# Altium PCB BMI088_V1.PcbDoc
Units mil, origin at the board's own origin, x right, y up, seen from the top; angles counter-clockwise.
Board outline 2462.83 x 1377.95 mil, 2 copper layers (Top Layer, Bottom Layer), stack 62.249 mil thick; 49 components, 50 nets, 240 pads, 192 vias.
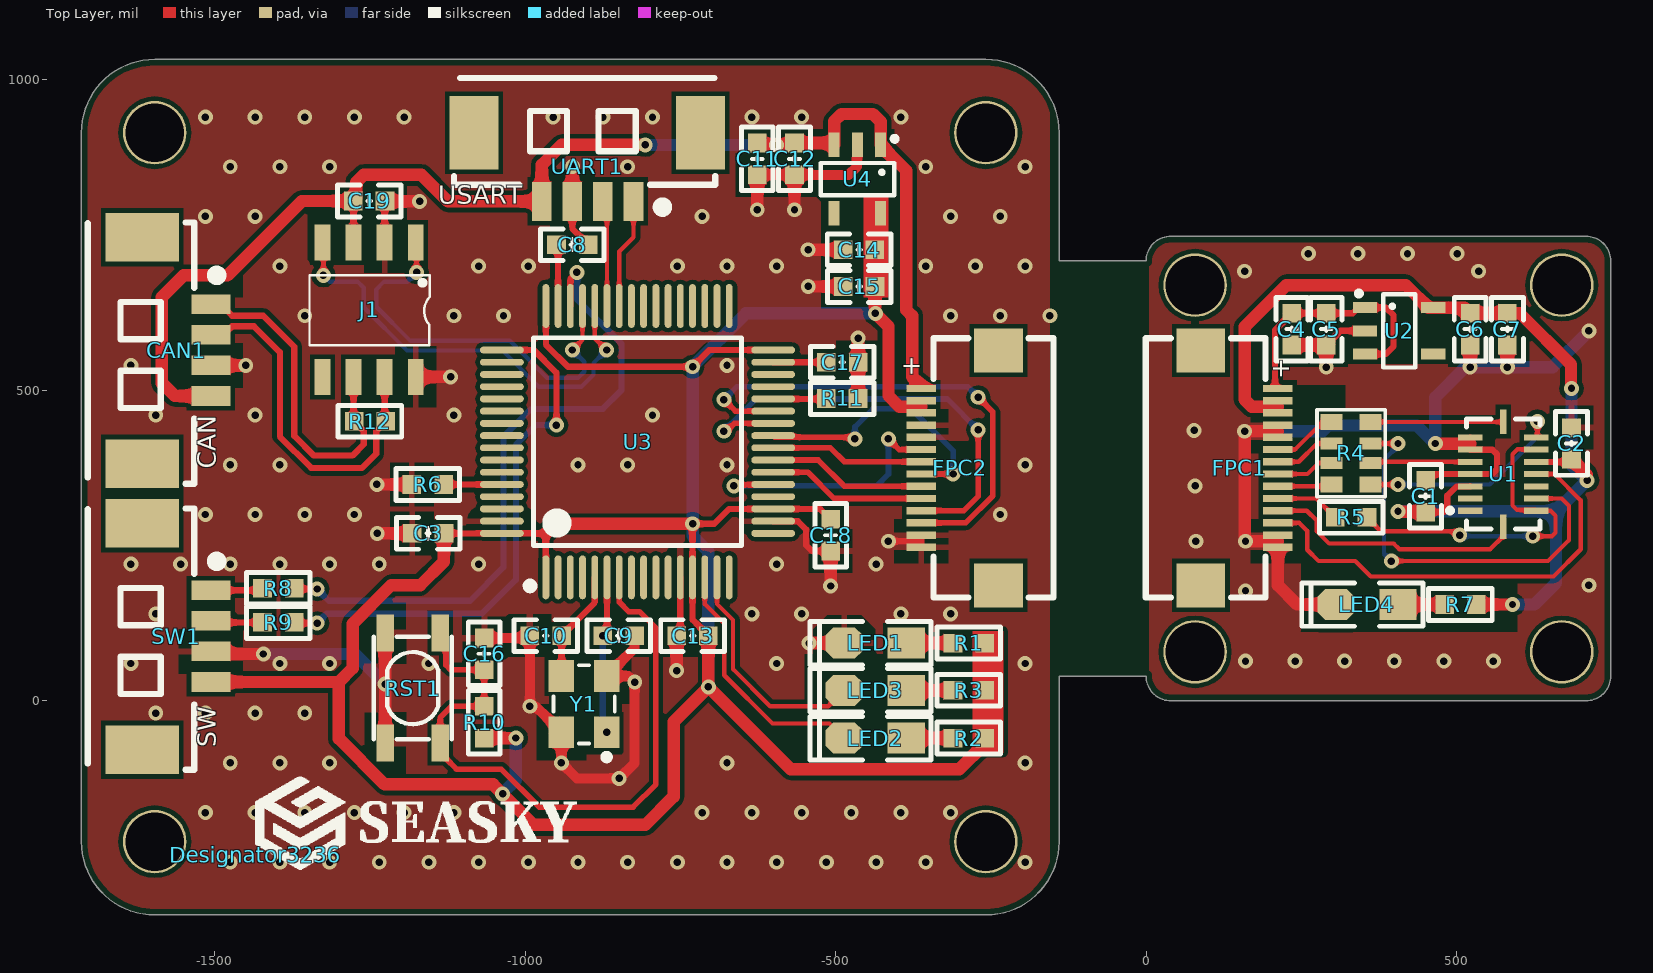
[diagram p0: Top Layer view]
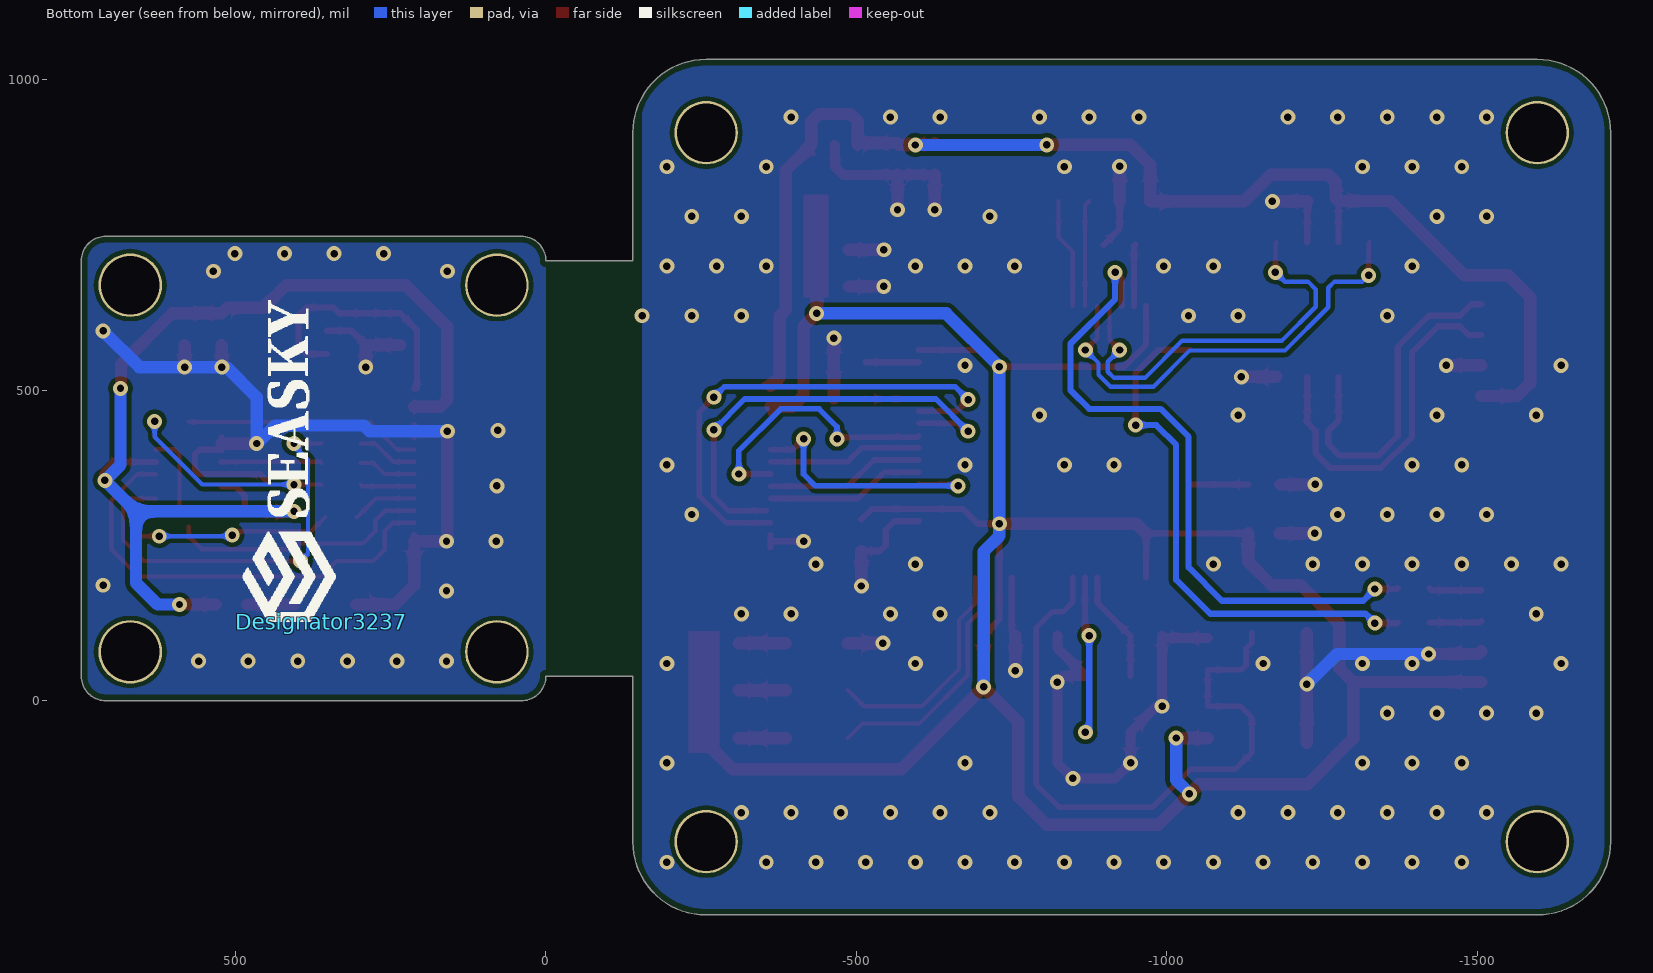
[diagram p1: Bottom Layer view, seen from below]
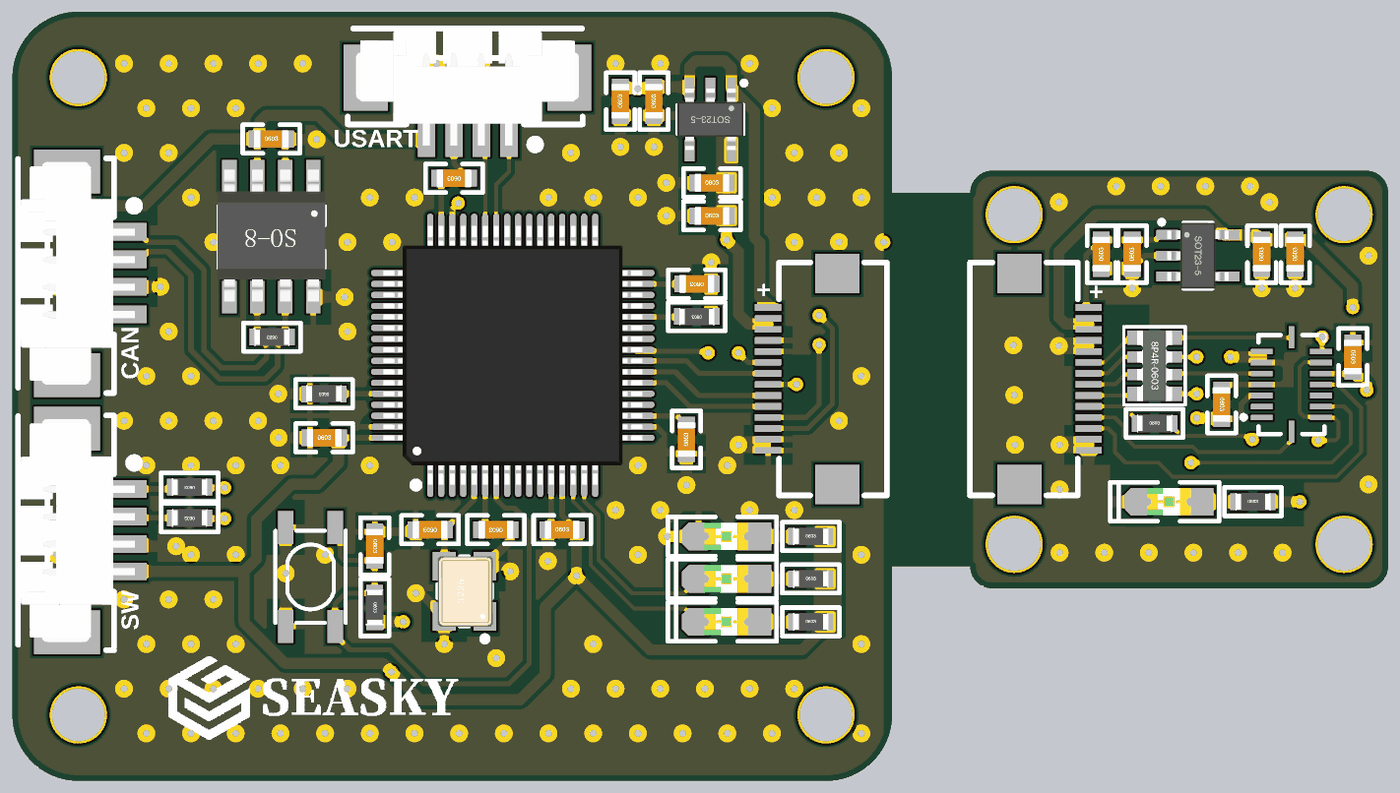
[diagram p2: 3D render of the assembled board from above, using the file's embedded part models]

## Layer stack, top to bottom
Top Solder: solder mask 0.4, Solder Resist, Dk 3.5
Top Layer: signal copper 1.4
Dielectric 1: dielectric 59.4488, FR-4, Dk 4.8
Bottom Layer: signal copper 1.4
Bottom Solder: solder mask 0.4, Solder Resist, Dk 3.5

## Board outline
-1596.69,-345 cw(c-1596.69,-226.89) -1714.8,-226.89 -1714.8,914.84 cw(c-1596.69,914.84) -1596.69,1032.95 -258.11,1032.95 cw(c-258.11,914.84) -140,914.84 -140,708.66 0,708.66 cw(c39.37,708.66) 39.37,748.03 708.66,748.03 cw(c708.66,708.66) 748.03,708.66 748.03,39.37 cw(c708.66,39.37) 708.66,0 39.37,0 cw(c39.37,39.37) 0,39.37 -140,39.37 -140,-226.89 cw(c-258.11,-226.89) -258.11,-345

## Design rules (kind name [scope] priority, off if disabled: settings)
BoardOutlineClearance [All] p1: gap=10 ignorepadtopadclearanceinfootprint=FALSE except(0: Arc-SplitContinuation Track-SplitContinuation SMDPad-SplitContinuation THPad-SplitContinuation Via-SplitContinuation Fill-SplitContinuation Poly-SplitContinuation Region-SplitContinuation Text-SplitContinuation)
Clearance [All] p1: gap=7 ignorepadtopadclearanceinfootprint=TRUE except(0: Arc-Hole Track-Hole SMDPad-Hole THPad-Hole Via-Hole Fill-Hole Poly-Hole Region-Hole Text-Hole)
MinimumSolderMaskSliver [All] p1: minsoldermaskwidth=1
PolygonConnect PolygonConnect_Via [IsVia] p1: connectstyle=Direct reliefconductorwidth=10 reliefentries=4 polygonreliefangle="90 Angle" airgapwidth=20
PolygonConnect [All] p2: connectstyle=Relief reliefconductorwidth=10 reliefentries=4 polygonreliefangle="90 Angle" airgapwidth=20
RoutingVias [All] p1: holewidth=12 width=24 viastyle="Through Hole" minholewidth=8 minwidth=16 maxholewidth=50 maxwidth=100
SilkToSolderMaskClearance [IsPad] p1: minsilkscreentomaskgap=7 clearancetoexposedcopper=TRUE
SolderMaskExpansion [All] p1: expansion=4
Width [All] p1: maxlimit=100 minlimit=6 preferedwidth=10 minimp=50.000000 maximp=50.000000 favimp=50.000000
28 further rules are at their usual default settings.

## Components (designator, comment, footprint, x,y, rotation, side; value= is the part's Value field where it differs from the comment)
C1 "0.1uF" "C 0603_L" 450,329.41 r270 top
C2 "0.1uF" "C 0603_L" 685,414.33 r270 top
C3 "0.1uF" "C 0603_L" -1156.45,269.58 r0 top
C4 "10uF" "C 0603_L" 234.67,598.53 r90 top
C5 "0.1uF" "C 0603_L" 290,598.53 r90 top
C6 "10uF" "C 0603_L" 521.76,598.53 r90 top
C7 "0.1uF" "C 0603_L" 581.76,598.53 r90 top
C8 "2.2uF" "C 0603_L" -924.06,734.52 r180 top
C9 "22pF" "C 0603_L" -849.26,104.89 r180 top
C10 "22pF" "C 0603_L" -966.94,104.88 r180 top
C11 "10uF" "C 0603_L" -626.28,872.61 r90 top
C12 "0.1uF" "C 0603_L" -566.28,872.61 r90 top
C13 "0.1uF" "C 0603_L" -730.52,104.89 r0 top
C14 "10uF" "C 0603_L" -462.39,726.28 r0 top
C15 "0.1uF" "C 0603_L" -462.27,667.21 r0 top
C16 "0.1uF" "C 0603_L" -1066.12,75.52 r270 top
C17 "2.2uF" "C 0603_L" -489.41,545.17 r180 top
C18 "0.1uF" "C 0603_L" -508.08,266.71 r90 top
C19 "0.1uF" "C 0603_L" -1251.35,804.89 r0 top
CAN1 "HDR-1X4" "MX 1.25-WS-4P" -1616.94,564.1 r270 top
Designator3236 "Comment" SEASKY1 -1435,-247.99 r0 top
Designator3237 "Comment" SEASKY1 361.31,127.35 r90 bottom
FPC1 "FPC14" FPC-SMD_P0.50-14P_QCHF-SM-H2.0 150,375 r90 top
FPC2 "FPC14" FPC-SMD_P0.50-14P_QCHF-SM-H2.0 -300,375 r270 top
J1 "TJA1050" SOIC-8_150mil -1176.35,738.17 r270 top locked
LED1 "红色" "LED 0805R" -436.4,92.88 r180 top
LED2 "红色" "LED 0805G" -436.4,-60.12 r180 top
LED3 "红色" "LED 0805G" -436.4,16.88 r180 top
LED4 "红色" "LED 0805G" 355.59,155 r180 top
R1 "4.7K" "R 0603_L" -285.4,92.88 r0 top
R2 "4.7K" "R 0603_L" -285.4,-60.12 r0 top
R3 "4.7K" "R 0603_L" -285.4,16.88 r0 top
R4 "220R" RCA-8P4R-0603 330,398.59 r270 top
R5 "220R" "R 0603_L" 330,295.35 r0 top
R6 "10K" "R 0603_L" -1156.94,348.32 r180 top
R7 "10K" "R 0603_L" 506.17,155 r0 top
R8 "0R" "R 0603_L" -1397.54,181.17 r180 top
R9 "0R" "R 0603_L" -1397.54,126.18 r180 top
R10 "10K" "R 0603_L" -1066.12,-34.48 r270 top
R11 "10K" "R 0603_L" -489.59,486.82 r180 top
R12 "120R" "R 0603_L" -1250,450 r180 top
RST1 "RES" SMD-3.2*4.2 -1181.12,20.52 r270 top
SW1 "HDR-1X4" "MX 1.25-WS-4P" -1616.94,103.54 r270 top
U1 "BMI088" BOSC-LGA-16-BMI088_V 575,365 r90 top
U2 "RT9013-33GB" SOT23-5L 407.59,595.8 r270 top
U3 "STM32F405RGT6" LQFP-64_10X10X05P -819.1,417.22 r90 top locked
U4 "RT9013-33GB" SOT23-5L -465,840 r180 top
UART1 "HDR-1X4" "MX 1.25-WS-4P" -900,915 r180 top
Y1 "12MHz" SMD-3225_4P -868.94,-50.67 r90 top

## Footprints (in the part's own frame and the unit in brackets; to place one, negate y for a bottom-side part, rotate by r counter-clockwise, add the part's x,y. Pads: shape width x height; smd on the part's side, far side on the other; paste and mask are expansions set on the pad)
BOSC-LGA-16-BMI088_V [mm] "LGA, 16-Leads, Body 3.0x4.5mm, Pitch 0.5mm"
  rect 0.25x1 smd: 1(-1.5,1.35) 2(-1,1.35) 3(-0.5,1.35) 4(0,1.35) 5(0.5,1.35) 6(1,1.35) 7(1.5,1.35) 9(1.5,-1.35) 10(1,-1.35) 11(0.5,-1.35) 12(0,-1.35) 13(-0.5,-1.35) 14(-1,-1.35) 15(-1.5,-1.35)
  rect 1x0.25 smd: 8(2.15,0) 16(-2.15,0)
  silkscreen extent -2.25,-1.5 2.25,2.28, body extent -2.25,-1.5 2.25,1.5, height 0.95
"C 0603_L" [mil] "无极性贴片电容                                       淘宝ID:黄晶宝石"
  rect 30x30 smd: 1(-25.59,0) 2(25.59,0)
  silkscreen extent -51,-26 51,26, body extent -31,-16 31,16, height 32
FPC-SMD_P0.50-14P_QCHF-SM-H2.0 [mm]
  rect 0.3x1.2 smd: 1(3.25,-1.575) 2(2.75,-1.575) 3(2.25,-1.575) 4(1.75,-1.575) 5(1.25,-1.575) 6(0.75,-1.575) 7(0.25,-1.575) 8(-0.25,-1.575) 9(-0.75,-1.575) 10(-1.25,-1.575) 11(-1.75,-1.575) 12(-2.25,-1.575) 13(-2.75,-1.575) 14(-3.25,-1.575)
  rect 1.8x2 smd: 15(4.8,1.575) 16(-4.8,1.575)
  silkscreen extent -5.3,-1.08 5.3,3.82
"LED 0805G" [mil] "绿色0805LED                              淘宝ID:黄晶宝石"
  rect 60x50 smd: 1(-50,0)
  oct 60x50 smd: 2(50,0)
  silkscreen extent -90,-35 105,35, body extent -39,-25 39,25, height 26
"LED 0805R" [mil] "红色0805LED                                       淘宝ID:黄晶宝石"
  rect 60x50 smd: 1(-50,0)
  oct 60x50 smd: 2(50,0)
  silkscreen extent -90,-35 105,35, body extent -39,-25 39,25, height 32
LQFP-64_10X10X05P [mil]
  oval 70.7x11.02 smd: 1(-218.5,147.64) 2(-218.5,127.95) 3(-218.5,108.27) 4(-218.5,88.58) 5(-218.5,68.9) 6(-218.5,49.21) 7(-218.5,29.53) 8(-218.5,9.84) 9(-218.5,-9.84) 10(-218.5,-29.53) 11(-218.5,-49.21) 12(-218.5,-68.9) 13(-218.5,-88.58) 14(-218.5,-108.27) 15(-218.5,-127.95) 16(-218.5,-147.64) 33(218.5,-147.64) 34(218.5,-127.95) 35(218.5,-108.27) 36(218.5,-88.58) 37(218.5,-68.9) 38(218.5,-49.21) 39(218.5,-29.53) 40(218.5,-9.84) 41(218.5,9.84) 42(218.5,29.53) 43(218.5,49.21) 44(218.5,68.9) 45(218.5,88.58) 46(218.5,108.27) 47(218.5,127.95) 48(218.5,147.64)
  oval 11.02x70.7 smd: 17(-147.64,-218.5) 18(-127.95,-218.5) 19(-108.27,-218.5) 20(-88.58,-218.5) 21(-68.9,-218.5) 22(-49.21,-218.5) 23(-29.53,-218.5) 24(-9.84,-218.5) 25(9.84,-218.5) 26(29.53,-218.5) 27(49.21,-218.5) 28(68.9,-218.5) 29(88.58,-218.5) 30(108.27,-218.5) 31(127.95,-218.5) 32(147.64,-218.5) 49(147.64,218.5) 50(127.95,218.5) 51(108.27,218.5) 52(88.58,218.5) 53(68.9,218.5) 54(49.21,218.5) 55(29.53,218.5) 56(9.84,218.5) 57(-9.84,218.5) 58(-29.53,218.5) 59(-49.21,218.5) 60(-68.9,218.5) 61(-88.58,218.5) 62(-108.27,218.5) 63(-127.95,218.5) 64(-147.64,218.5)
  silkscreen extent -238,-167 167,179, body extent -232,-232 232,232, height 61
"MX 1.25-WS-4P" [mm] "长：10.15mm，宽：4.2mm，高：3.4mm"
  rect 2x3 smd: 0(-4.632,0) 0(4.632,0)
  rect 0.8x1.6 smd: 1(-1.889,2.811) 2(-0.639,2.811) 3(0.611,2.811) 4(1.861,2.811)
  silkscreen extent -5.23,-2.23 5.45,3.25, body extent -5.07,-2.1 5.07,3.09, height 3.4
"R 0603_L" [mil] "1/10W贴片电阻                 淘宝ID:黄晶宝石"
  rect 30x30 smd: 1(-25.59,0) 2(25.59,0)
  silkscreen extent -51,-26 51,26, body extent -31,-16 32,16, height 16
RCA-8P4R-0603 [mm] "3.2mm*1.6mm*0.6mm(长*宽*厚)"
  rect 0.65x0.9 smd: 1(-1.28,-0.8) 4(1.28,-0.8) 5(1.28,0.8) 8(-1.28,0.8)
  rect 0.5x0.9 smd: 2(-0.4,-0.8) 3(0.4,-0.8) 6(0.4,0.8) 7(-0.4,0.8)
  silkscreen extent -1.78,-1.4 1.78,1.4, body extent -1.6,-0.8 1.6,0.8, height 0.6
SEASKY1 [mil]
  silkscreen extent 0,-23 518,126
SMD-3.2*4.2 [mm]
  rect 1.5x0.7 smd: 1(-2.25,1.125) 1(2.25,1.125) 2(-2.25,-1.125) 2(2.25,-1.125)
  silkscreen extent -2.1,-1.6 2.1,1.6, body extent -2.73,-1.6 2.47,1.58, height 1.8
SMD-3225_4P [mm]
  rect 1.3x1.05 smd: 1(0,0) 2(2.3,0) 3(2.3,1.85) 4(0,1.85)
  silkscreen extent -1.14,-0.33 2.74,2.17, body extent -0.46,-0.36 2.74,2.14, height 0.7
SOIC-8_150mil [mm]
  rect 1.473x0.65 smd: 1(0,0) 2(0,-1.27) 3(0,-2.54) 4(0,-3.81) 5(5.5,-3.81) 6(5.5,-2.54) 7(5.5,-1.27) 8(5.5,0)
  silkscreen extent 1.35,-4.34 4.2,0.58, body extent -0.3,-4.34 5.7,0.56, height 1.7
SOT23-5L [mm] "3x1.6x1.1mm(长宽高) 封装库来自淘宝卖家 ID：黄晶宝石"
  rect 0.45x1 smd: 1(-0.95,-1.4) 2(0,-1.4) 3(0.95,-1.4) 4(0.95,1.4) 5(-0.95,1.4)
  silkscreen extent -1.6,-1.73 1.5,0.66, body extent -1.5,-1.4 1.5,1.4, height 1.15

## Part data
C1 C2 C3 C4 C5 C6 C7 C8 C9 C10 C11 C12 C13 C14 C15 C16 C17 C18 C19: library part C, "贴片电容"
CAN1 SW1 UART1: library part "Header 4", "4P接插件"
J1: "CANоƬ"
LED1 LED2 LED3 LED4: library part LED-SMD, "贴片LED"
R1 R2 R3 R5 R6 R7 R8 R9 R10 R11 R12: library part R, "贴片电阻"
R4: library part R-8P4R, "贴片排阻"
RST1: library part KEY_M
U1: library part BOSC-BMI088-LGA-16, "6-axis Motion Tracking for High-performance Applications,", Manufacturer_Name=Bosch, Arrow Part Number=BMI088, Arrow Price/Stock=https://www.arrow.com/en/products/bmi088/bosch, Datasheet Link=https://ae-bst.resource.bosch.com/media/_tech/media/datasheets/BST-BMI088-DS001-13.pdf, Geometry.Height=1.45mm, Manufacturer_Part_Number=BMI088
Y1: library part XTAL_3225, "3225贴片无源晶振"

## Free pads (board coordinates)
  round 102.36 hole 94.49: ""(-1596.69,-226.89) ""(-1596.69,914.84) ""(-258.11,-226.89) ""(-258.11,914.84) ""(78.74,78.74) ""(78.74,669.29) ""(669.29,78.74) ""(669.29,669.29)

## Via types
v1: diameter 24, hole 12, Top Layer to Bottom Layer, 192 vias

## Nets (pads, with @x,y where several pads share a name; then routed paths per layer and width w, separated by ;. In a path a pad name is that pad's centre, name@x,y a point inside that pad or via, vN(x,y) a via of type N, cw(c..) or ccw(c..) an arc to the next point about the centre after c; other vN are vias at no path point)
CAN1_RX(PA11): J1.4 U3.44 | length 716.5
  Top Layer w7: J1.4 -1325,736.82 v1(-1325,685) ; U3.44 -888,583.92 v1(-868.94,564.86)
  Bottom Layer w7: v1(-1325,685) -1315,675 -1270,675 -1260,665 -1260,633.65 -1190.33,563.98 -1036.71,563.98 -978.54,505.8 -909.4,505.8 -890,525.2 -890,543.8 v1(-868.94,564.86)
CAN1_TX(PA12): J1.1 U3.45 | length 659.8
  Top Layer w7: J1.1 -1175,736.82 v1(-1175,690) ; v1(-924.06,564.86) -907.68,581.25 U3.45
  Bottom Layer w7: v1(-1175,690) -1190,675 -1227.2,675 -1240,662.2 -1240,634.63 -1185.37,580 -1025,580 -965,520 -915,520 -905,530 -905,545.8 v1(-924.06,564.86)
CAN_H: CAN1.2 J1.7 R12.1 | length 586.5
  Top Layer w10: CAN1.2 -1485.75,589.25 -1472,603 -1436.88,603 -1395,561.12 -1395,425.49 -1344.51,375 -1262.69,375 -1240,397.69 -1240,434.41 R12.1 -1226.35,451.95 J1.7
CAN_L: CAN1.1 J1.6 R12.2 | length 554.2
  Top Layer w10: CAN1.1 -1490.46,638.46 -1472,620 -1421.71,620 -1371.94,570.24 -1371.94,426.47 -1340.47,395 -1277.97,395 -1260,412.97 -1260,434.42 R12.2 -1276.35,450.77 J1.6
CSB1_ACC(PC4): FPC2.8 U3.24 | length 247.9
  Top Layer w9: U3.24 -508.48,407.38 -485.94,384.84 FPC2.8
CSB2_GYRO(PC5): FPC2.7 U3.25 | length 439.7
  Top Layer w9: U3.25 -597.93,424.39 -471.76,424.39 v1(-468.97,421.61) ; FPC2.7 v1(-311,365.16)
  Bottom Layer w9: v1(-468.97,421.61) -468.97,441.03 -440,470 -378.25,470 -311,402.74 v1(-311,365.16)
CSB_ACCEL: R4.7 U1.14 | length 660.5
  Top Layer w7: R4.7 v1(405.59,414.33) ; v1(395,225) 647.24,225 680.94,258.69 680.94,313.99 669.29,325.63 U1.14
  Bottom Layer w7: v1(395,225) 383.09,236.91 383.09,388.09 405.59,410.59 v1(405.59,414.33)
CSB_GYRO: R4.6 U1.5 | length 161.2
  Top Layer w7: R4.6 363.27,384.61 363.34,384.69 U1.5
  Top Layer w10: U1.5@521.77,384.61 U1.5
GND: C1.1 C2.1 C4.1 C5.1 C6.1 C7.1 FPC1.4 FPC1.5 FPC1.13 FPC1.14 LED4.2 U1.4 U1.6 U1.7 U2.2 | length 1681.8
  Top Layer w10: FPC1.14 212.01,256.89 FPC1.13 ; FPC1.5 212.01,434.05 FPC1.4 ; C5.1 312.87,595.8 U2.2 ; C1.1 460,365 U1.4 521.93,365.08 557.61,365.08 565,372.47 565,397.06 557.69,404.37 U1.6 521.85,414.21 U1.7
  Top Layer w20: FPC1.14 212.01,186.02 243.03,155 LED4.2 ; 212.01,256.89 v1(160,256.89) 158.58,258.31 v1(158.58,434.05) 212.01,434.05 ; C4.1 C5.1 v1(290,537.36) ; v1(465.83,414.33) 465.95,414.21 521.85,414.21 ; v1(521.77,537.36) C6.1 ; v1(581.77,537.36) C7.1
  Bottom Layer w20: v1(158.58,434.05) 283.99,434.05 293.27,443.33 435.75,443.33 464.75,414.33 v1(465.83,414.33) 465.83,488.78 514.41,537.36 v1(521.77,537.36) v1(581.77,537.36) 654.48,537.36 v1(712.93,595.8)
  other v1: 160,63.75 239.84,63.75 319.68,63.75 399.51,63.75 479.35,63.75 559.19,63.75 160,177.05 712.93,186.02 80.16,256.89 78.74,346.18 77.32,435.48 158.58,691.66 535.51,691.66 261.23,720 341.06,720 420.9,720 500.74,720
GNDS: C3.1 C8.1 C9.1 C10.2 C11.1 C12.1 C13.1 C14.1 C15.1 C16.1 C17.1 C18.1 C19.2 CAN1.3 FPC2.1 FPC2.2 FPC2.10 FPC2.11 J1.2 J1.8 LED1.2 R6.2 R11.1 RST1.2 SW1.3 U3.12 U3.18 U3.63 U4.2 UART1.3 Y1.2 Y1.4 | length 2662.1
  Top Layer w10: J1.2 -1226.35,804.3 C19.2 ; UART1.3 -924.06,760.11 C8.1 ; C13.1 -750.2,110.8 U3.12 ; U3.18 -600.4,289.08 -560.87,289.08 -547.48,275.68 -547.48,250.51 -538.08,241.11 C18.1 ; v1(-415,256.89) -362.01,256.89 ; FPC2.1 -362.01,256.89 ; FPC2.2 -362.01,256.89
  Top Layer w16: C16.1 -996.31,101.11 C10.2 v1(-992.53,-8.89) -983.55,-8.89 Y1.4 v1(-941.77,-100) -916.77,-125 v1(-848.66,-125) -823.66,-100 v1(-823.66,30.13) -833.41,39.88 Y1.2 -823.66,85.16 C9.1 ; C11.1 C12.1 -478.97,847.02 -465.86,860.13 -465.86,894.26 U4.2
  Top Layer w20: SW1.3 -1502.1,75.29 v1(-1421.71,75.29) ; CAN1.3 v1(-1450,540) v1(-1450,540) ; v1(-1238.82,348.36) -1238.79,348.32 R6.2 ; v1(-1238.33,269.61) v1(-1238.33,269.61) C3.1 ; C19.2@-1226.35,804.3 v1(-1170.06,804.26) v1(-1170.06,804.26) ; RST1.2@-1225.41,-68.07 -1225.59,-67.89 v1(-1225.59,26.76) -1225.59,30.44 -1225.59,108.92 RST1.2@-1225.41,109.1 ; J1.8 v1(-1120.06,521.59) v1(-1120.06,521.59) ; UART1.3 -924.06,860.6 v1(-924.03,860.64) ; v1(-756.15,48.6) v1(-756.15,48.6) C13.1 ; v1(-626.32,790.72) -626.28,790.76 C11.1 ; v1(-566.32,790.72) -566.28,790.76 C12.1 ; v1(-544.28,726.32) -544.24,726.28 C14.1 ; v1(-544.16,667.24) -544.12,667.2 C15.1 ; v1(-542.69,92.91) v1(-542.69,92.91) LED1.2 ; v1(-508.11,184.82) -508.08,184.86 C18.1 ; R11.1 -463.91,486.91 -463.91,545.08 C17.1 v1(-463.82,583.92)
  Bottom Layer w20: v1(-1421.71,75.29) -1315,75.29 -1274.11,75.29 v1(-1225.59,26.76)
  other v1: -1475,-260 -1395,-260 -1315,-260 -1235,-260 -1155,-260 -1075,-260 -995,-260 -915,-260 -835,-260 -755,-260 -675,-260 -595,-260 -515,-260 -435,-260 -355,-260 -195,-260 -1515,-180 -1435,-180 -1355,-180 -1275,-180 -1195,-180 -1115,-180 -715,-180 -635,-180 -555,-180 -475,-180 -395,-180 -315,-180 -1475,-100 -1395,-100 -1315,-100 -675,-100 -195,-100 -1595,-20 -1515,-20 -1435,-20 -1355,-20 -1635,60 -1395,60 -1315,60 -1155,60 -595,60 -195,60 -1595,140 -635,140 -555,140 -395,140 -315,140 -1635,220 -1555,220 -1475,220 -1395,220 -1315,220 -1235,220 -1075,220 -595,220 -435,220 -1515,300 -1435,300 -1355,300 -1275,300 -235,300 -1475,380 -1395,380 -915,380 -835,380 -675,380 -195,380 -1595,460 -1435,460 -1115,460 -795,460 -1635,540 -675,540 -1355,620 -1115,620 -1035,620 -315,620 -235,620 -155,620 -1395,700 -1075,700 -995,700 -755,700 -675,700 -595,700 -355,700 -275,700 -195,700 -1515,780 -1435,780 -715,780 -315,780 -235,780 -1475,860 -1395,860 -1315,860 -835,860 -355,860 -195,860 -1515,940 -1435,940 -1355,940 -1275,940 -1195,940 -955,940 -875,940 -795,940 -635,940 -555,940 -395,940
INT1_ACCEL: FPC1.11 U1.16 | length 422.5
  Top Layer w7: FPC1.11 258.78,306.1 275,289.88 275,272.9 294.6,253.3 398.52,253.3 407.59,244.23 554.23,244.23 575,265 U1.16
INT1_ACCEL(PB0): FPC2.4 U3.26 | length 737.5
  Top Layer w9: v1(-680,434.05) -675.94,434.05 -663.24,446.75 U3.26 ; FPC2.4@-355.13,306.1 -293.58,306.1 -270.53,329.14 v1(-270.53,436.3)
  Bottom Layer w9: v1(-680,434.05) -628.05,486 -320.23,486 v1(-270.53,436.3)
INT2_ACCEL: U1.1
INT3_GYRO: FPC1.12 U1.12 | length 727.8
  Top Layer w7: FPC1.12 246.54,286.42 259.39,273.57 259.39,243.31 277.7,225 336.78,225 361.78,200 655.94,200 700,244.06 700,322.71 657.71,365 U1.12
INT3_GYRO(PB1): FPC2.3 U3.27 | length 813.8
  Top Layer w9: v1(-680,485) -661.43,466.43 U3.27 ; FPC2.3 -290.63,286.42 -247.03,330.02 -247.03,465.28 v1(-270.53,488.78)
  Bottom Layer w9: v1(-680,485) -659.2,505.8 -287.55,505.8 v1(-270.53,488.78)
INT4_GYRO: U1.13
LED1(PA0): LED2.2 U3.14 | length 405.6
  Top Layer w7: U3.14 -710.83,155.63 -679.43,124.24 -679.43,41.07 -601.84,-36.52 -510.01,-36.52 LED2.2
LED2(PA1): LED3.2 U3.15 | length 372.9
  Top Layer w7: U3.15 -691.15,155.75 -665.43,130.03 -665.43,50.98 -605.56,-8.89 -512.17,-8.89 LED3.2
NetC8_2: C8.2 U3.47 | length 99.9
  Top Layer w10: C8.2 -947.05,731.91 U3.47
NetC9_2: C9.2 U3.6 Y1.1 | length 255.2
  Top Layer w10: v1(-875,105) -875,104.73 C9.2 -868.31,111.43 U3.6
  Bottom Layer w10: v1(-875,105) -875,-40.82 -868.94,-46.88 v1(-868.94,-50.67)
NetC10_1: C10.1 U3.5 Y1.3 | length 181.1
  Top Layer w10: Y1.3 -941.35,40.3 C10.1 -888.19,158.05 -888.19,198.53 U3.5
NetC17_2: C17.2 U3.31 | length 85.6
  Top Layer w10: U3.31 C17.2
NetFPC1_6: FPC1.6 R4.1 | length 104.9
  Top Layer w7: FPC1.6 239.86,404.53 284.31,448.98 R4.1
NetFPC1_7: FPC1.7 R4.2 | length 98.7
  Top Layer w7: FPC1.7 245.72,384.84 275.21,414.33 R4.2
NetFPC1_8: FPC1.8 R4.3 | length 93.8
  Top Layer w7: FPC1.8 259.71,365.16 277.38,382.84 R4.3
NetFPC1_9: FPC1.9 R4.4 | length 87.6
  Top Layer w7: FPC1.9 295.78,345.47 R4.4
NetFPC1_10: FPC1.10 R5.1 | length 105
  Top Layer w7: FPC1.10 273.97,325.79 R5.1
NetLED1_1: LED1.1 R1.1 | length 75.4
  Top Layer w20: LED1.1 R1.1
NetLED2_1: LED2.1 R2.1 | length 75.4
  Top Layer w20: LED2.1 R2.1
NetLED3_1: LED3.1 R3.1 | length 75.4
  Top Layer w20: LED3.1 R3.1
NetLED4_1: LED4.1 R7.1 | length 75
  Top Layer w20: LED4.1 R7.1
NetR6_1: R6.1 U3.60 | length 93.8
  Top Layer w10: R6.1@-1131.35,348.32 U3.60
NetR8_2: R8.2 SW1.1 | length 84.5
  Top Layer w10: SW1.1 -1426.4,177.9 R8.2
NetR9_2: R9.2 SW1.2 | length 84.2
  Top Layer w10: SW1.2 -1503.78,126.18 R9.2
NetR11_2: R11.2 U3.28 | length 85.7
  Top Layer w9: R11.2@-515.88,486.12 R11.2
  Top Layer w10: U3.28 R11.2@-515.88,486.12
NRST: C16.2 R10.1 RST1.1 U3.7 | length 1080.4
  Top Layer w9: RST1.1@-1136.83,109.1 -1136.83,93.35 -1127.55,84.07 -1127.55,57.41 -1120.06,49.93 C16.2 R10.1 -1118.58,-8.89 -1136.83,-27.14 -1136.83,-68.07 -1136.83,-83.82 -1110.64,-110 -1038.74,-110 -977.47,-171.27 -826.27,-171.27 -789.57,-134.57 -789.57,117.06 -816.1,143.59 -833.41,143.59 -848.63,158.8 U3.7
SPI1_CLK: R4.8 U1.8 | length 213.8
  Top Layer w7: R4.8 574.33,448.98 U1.8
SPI1_MISO: R5.2 U1.10 U1.15 | length 546.2
  Top Layer w7: R5.2 377.84,273.1 498.63,273.1 v1(505,266.73) ; v1(622.59,265) 653.66,265 659.29,270.63 659.29,297.86 651.2,305.95 U1.15 626.73,307.37 597.31,307.37 590,314.68 590,397.06 597.94,405 627.52,405 U1.10
  Bottom Layer w7: v1(505,266.73) 506.73,265 v1(622.59,265)
SPI1_MISO(PA6): FPC2.5 U3.22 | length 256.1
  Top Layer w9: U3.22 -544.82,368.01 -502.6,325.79 FPC2.5
SPI1_MOSI: R4.5 U1.9 | length 352.3
  Top Layer w7: R4.5 v1(405.59,348.19) ; U1.9 628.58,424.06 630,425.48 v1(630,450)
  Bottom Layer w7: v1(405.59,348.19) 553.19,348.19 630,425 v1(630,450)
SPI1_MOSI(PA7): FPC2.6 U3.23 | length 256.1
  Top Layer w9: U3.23 -528.16,387.69 -485.94,345.47 FPC2.6
SPI1_SCK(PA5): FPC2.9 U3.21 | length 437.9
  Top Layer w9: v1(-664.05,346.18) -662.3,347.93 -600.98,347.93 U3.21 ; v1(-415,421.61) -397.92,404.53 FPC2.9
  Bottom Layer w9: v1(-664.05,346.18) -433.82,346.18 -415,365 v1(-415,421.61)
SWCLK(PA14): R9.1 U3.49 | length 869.3
  Top Layer w10: R9.1 -1370.77,125 v1(-1335,125) ; U3.49 -986.43,564.86 -949.65,528.09 v1(-949.65,443.9)
  Bottom Layer w10: v1(-1335,125) -1320,140 -1070,140 -1015,195 -1015,411.95 -983.05,443.9 v1(-949.65,443.9)
SWDIO(PA13): R8.1 U3.46 | length 1077
  Top Layer w10: R8.1 -1370.77,180 v1(-1335,180) ; U3.46 -927.17,635.92 -927.17,679.6 v1(-916.77,690)
  Bottom Layer w10: v1(-1335,180) -1316.23,161.23 -1088.77,161.23 -1035,215 -1035,425 -990,470 -875,470 -844.94,500.06 -844.94,574.8 -916.77,646.64 v1(-916.77,690)
USART1_RX(PA10): U3.43 UART1.2 | length 171.3
  Top Layer w7: UART1.2 -868.31,797.8 U3.43
USART1_TX(P9): U3.42 UART1.1 | length 178.1
  Top Layer w7: U3.42 -848.63,723.47 -825.64,746.46 UART1.1
VCC3V3: C1.2 C2.2 C6.2 C7.2 FPC1.2 FPC1.3 R7.2 U1.3 U1.11 U2.5 | length 1830.3
  Top Layer w6: FPC1.3 212.01,473.43 FPC1.2
  Top Layer w10: C1.2 479.14,303.82 485,309.68 485,330.36 499.88,345.24 521.77,345.24 U1.3 ; U1.11 680.94,384.69 C2.2
  Top Layer w20: 212.01,473.43 170.29,473.43 158.58,485.14 158.58,516.54 158.58,521.54 158.58,602.07 225.8,669.29 418.08,669.29 454.16,633.21 U2.5 512.68,633.21 C6.2 C7.2 601.69,624.12 684.23,541.57 684.23,503.72 v1(685,502.95) ; v1(405.59,305) 406.18,304.41 449.41,304.41 C1.2 ; R7.2 v1(590,155) ; C2.2 710,363.74 v1(710,355)
  Bottom Layer w20: v1(405.59,305) 660,305 ; v1(590,155) 625.33,155 660,189.67 660,305 ; v1(685,502.95) 685,380 v1(710,355) 660,305
VCC3V3S: C3.2 C13.2 C14.2 C15.2 C18.2 FPC2.12 FPC2.13 R1.2 R2.2 R3.2 R10.2 SW1.4 U3.1 U3.13 U3.19 U3.32 U3.48 U3.64 U4.5 | length 4691.4
  Top Layer w10: C3.2 U3.64 -966.74,269.58 U3.1 ; U3.48 -966.74,573.59 -931.08,537.94 v1(-730.52,537.94) -703.59,564.86 U3.32 ; C13.2 -730.52,130.47 U3.13 v1(-730.52,285) -695.41,285 -671.46,308.95 U3.19 -600.4,308.76 -524.54,308.76 C18.2 ; FPC2.12 -362.01,473.43 FPC2.13
  Top Layer w20: SW1.4 -1300.04,30.26 ; C3.2 -1130.86,224.14 -1168.98,186.02 -1215.84,186.02 -1277.97,123.89 -1277.97,52.33 -1300.04,30.26 ; v1(-1015,-60) v1(-1015,-60) R10.2@-1066.08,-60.04 ; -966.74,269.58 -951.32,285 v1(-730.52,285) ; C13.2 v1(-704.93,22.32) ; C15.2 -436.69,624.63 v1(-435.97,623.92) -415,602.95 -415,491.22 -397.21,473.43 -362.01,473.43 ; R2.2 -259.81,-68.9 -301.3,-110.38 -572.23,-110.38 v1(-704.93,22.32) ; -1300.04,30.26 -1300.04,-60.88 -1226.35,-134.57 -1051.71,-134.57 v1(-1036.27,-150) -986.27,-200 -806.63,-200 -761.11,-154.48 -761.11,-33.87 v1(-704.93,22.32) ; R10.2 R10.2@-1066.08,-60.04
  Bottom Layer w20: v1(-1036.27,-150) -1036.27,-148.92 -1015,-127.65 v1(-1015,-60) ; v1(-704.93,22.32) -704.93,239.93 -730.52,265.52 v1(-730.52,285) v1(-730.52,537.94) -644.53,623.92 v1(-435.97,623.92)
VCC5VS: C11.2 C12.2 C19.1 CAN1.4 FPC2.14 J1.3 U4.1 U4.3 UART1.4 | length 2172.1
  Top Layer w10: C19.1 -1276.35,804.29 J1.3
  Top Layer w20: CAN1.4 -1564.18,490.82 -1585,511.65 -1585,650 -1550,685 -1479.57,685 -1359.68,804.88 C19.1 -1271.94,809.88 -1271.94,835.3 -1260.23,847.01 -1167.01,847.01 -1124.35,804.35 UART1.4 -973.28,863.19 -941.35,895.12 v1(-806.63,895.12) ; C11.2 -623.85,895.77 v1@-595.77,895.77 ; v1(-595,895) v1@-595.77,895.77 ; U4.3 U4.3@-502.4,897.05 ; FPC2.14@-362.01,507.04 -377,522.03 -377,619.95 -386.4,629.35 -386.4,853.92 U4.1 -427.6,932.6 -440,945 -490.69,945 -502.4,933.28 U4.3@-502.4,897.05 ; v1@-595.77,895.77 -568.71,895.77 C12.2 -503.54,898.2 U4.3@-502.4,897.05
  Bottom Layer w20: v1(-806.63,895.12) -806.51,895 v1(-595,895)
VCCIN: C4.2 C5.2 FPC1.1 U2.1 U2.3 | length 410.2
  Top Layer w10: FPC1.1 208.58,502.95 207.67,503.86 207.67,597.12 C4.2 C5.2 332.56,624.12 341.64,633.21 U2.1 386.21,633.21 398.52,620.9 398.52,570.71 386.21,558.4 U2.3
pads on no net: CAN1.0 FPC1.15 FPC1.16 FPC2.15 FPC2.16 J1.5 SW1.0 U1.2 U2.4 U3.2 U3.3 U3.4 U3.8 U3.9 U3.10 U3.11 U3.16 U3.17 U3.20 U3.29 U3.30 U3.33 U3.34 U3.35 U3.36 U3.37 U3.38 U3.39 U3.40 U3.41 U3.50 U3.51 U3.52 U3.53 U3.54 U3.55 U3.56 U3.57 U3.58 U3.59 U3.61 U3.62 U4.4 UART1.0

## Polygon pours and split planes (outlines as drawn)
GNDS on Top Layer "Top Layer-GNDS" (solid, remove dead copper, pour order 16): -1735,-360 -155,-360 -155,1060 -1745,1060 -1750,1055
GND on Top Layer "Top Layer-GND" (solid, remove dead copper, pour order 6): 730,745 30,745 5,720 5,10 740,10 740,735
GNDS on Bottom Layer "Bottom Layer-GNDS" (solid, remove dead copper, pour order 14): -1725,1040 -1720,1035 -1720,-340 -155,-340 -155,1040
GND on Bottom Layer "Bottom Layer-GND" (solid, remove dead copper, pour order 8): 0,750 750,750 750,0 745,5 0,5

## Other copper
Top Layer:
  rectangle net VCC3V3S: -280,-83.82 -230,112.29
  rectangle net VCC3V3S: -455,649.22 -415,815
  pour cut-out: -1350,805 -1350,710.22 -1341.73,701.94 -1341.51,702.17 -1259.15,702.17 -1259.15,816.84 -1262.06,819.76
  pour cut-out: -1540,685 -1539.47,684.47 -1539.47,650 -1454.8,650 -1454.8,709.77
  pour cut-out: -1296.15,557.63 -1296.15,429.44 -1209.15,429.44 -1209.15,557.63
  pour cut-out: -960,65 -961.85,63.15 -961.85,-86.55 -844.55,-86.55 -841.27,-83.26 -843.74,-80.78 -843.74,66.11
  pour cut-out: -550,75 -550,-82.66 -536.4,-96.26 -531.09,-90.95 -242.48,-90.95 -242.48,70.21 -247.56,75.29
  pour cut-out: -347.68,418.04 -347.68,414.21 -347.68,326.35 -262.6,326.35 -256.09,332.86 -256.09,418.04
  pour cut-out: -558.24,486.12 -558.24,411.08 -532,384.84 -409.46,384.84 -409.46,485.68 -415,491.22
  pour cut-out: -648.28,920.2 -646.96,918.88 -646.96,815 -534.26,815 -522.87,803.6 -522.87,632.2 -405.63,632.2 -405.63,920.2
  pour cut-out: 205,650 205,553.16 215.61,542.54 608.32,542.54 608.32,641.56 603.77,646.12
  pour cut-out: 226.3,507.95 243.03,491.22 243.03,429.21 320.41,429.21 320.41,507.95
  pour cut-out: 250,236.85 250,112.29 248.93,111.22 597.94,111.22 597.94,236.14
  pour cut-out: 400,450 400.03,449.97 400.03,384.69 535.43,384.69 535.59,384.84 531.76,388.66 531.76,448.98
  pour cut-out: 465.95,360 465.95,261.73 590.58,261.73 593.84,265 590,268.84 590,360
  pour cut-out: 273.79,468.77 386.21,468.77 377.84,460.4 377.84,273.1 275.2,273.1 275,272.9

## Silkscreen, mask and mechanical layers (free items; w line width, h text height)
Top Overlay:
  text "USART" at -1140.28,790.72 h50
  text "+" at -355,521.59 h50 r90
  text "+" at 239.84,517.96 h50 r90
  text "CAN" at -1489.07,373.91 h50 r90
  text "SW" at -1489.07,-75 h50 r90
Mechanical 1:
  lines w10: 39.37,748.03 ccw(c39.37,708.66) 0,708.66 -140,708.66 -140,914.84 ccw(c-258.11,914.84) -258.11,1032.95 -1596.69,1032.95 ccw(c-1596.69,914.84) -1714.8,914.84 -1714.8,-226.89 ccw(c-1596.69,-226.89) -1596.69,-345 -258.11,-345 ccw(c-258.11,-226.89) -140,-226.89 -140,39.37 0,39.37 ccw(c39.37,39.37) 39.37,0 708.66,0 ccw(c708.66,39.37) 748.03,39.37 748.03,708.66 ccw(c708.66,708.66) 708.66,748.03 39.37,748.03 ; 39.37,748.03 39.37,748.03
Mechanical 15:
  lines w0.1: 382.65,882.99 384.65,880.99
Drill Drawing:
  lines w6: -1714.8,-226.89 ccw(c-1596.69,-226.89) -1596.69,-345 -258.11,-345 ccw(c-258.11,-226.89) -140,-226.89 -140,39.37 -30,39.37 0,39.37 ccw(c39.37,39.37) 39.37,0 708.66,0 ccw(c708.66,39.37) 748.03,39.37 748.03,708.66 ccw(c708.66,708.66) 708.66,748.03 39.37,748.03 ccw(c39.37,708.66) 0,708.66 -30,708.66 -140,708.66 -140,914.84 ccw(c-258.11,914.84) -258.11,1032.95 -1596.69,1032.95 ccw(c-1596.69,914.84) -1714.8,914.84 -1714.8,-226.89